# Altium PCB Flow_Pump.PcbDoc (part 4 of 5)
Units mm, origin at the board's own origin, x right, y up, seen from the top; angles counter-clockwise.
Board outline 203 x 203 mm, 2 copper layers (Top Layer, Bottom Layer); 250 components, 181 nets, 863 pads, 3284 vias.
Unrouted connection lines stored in the file: 1.
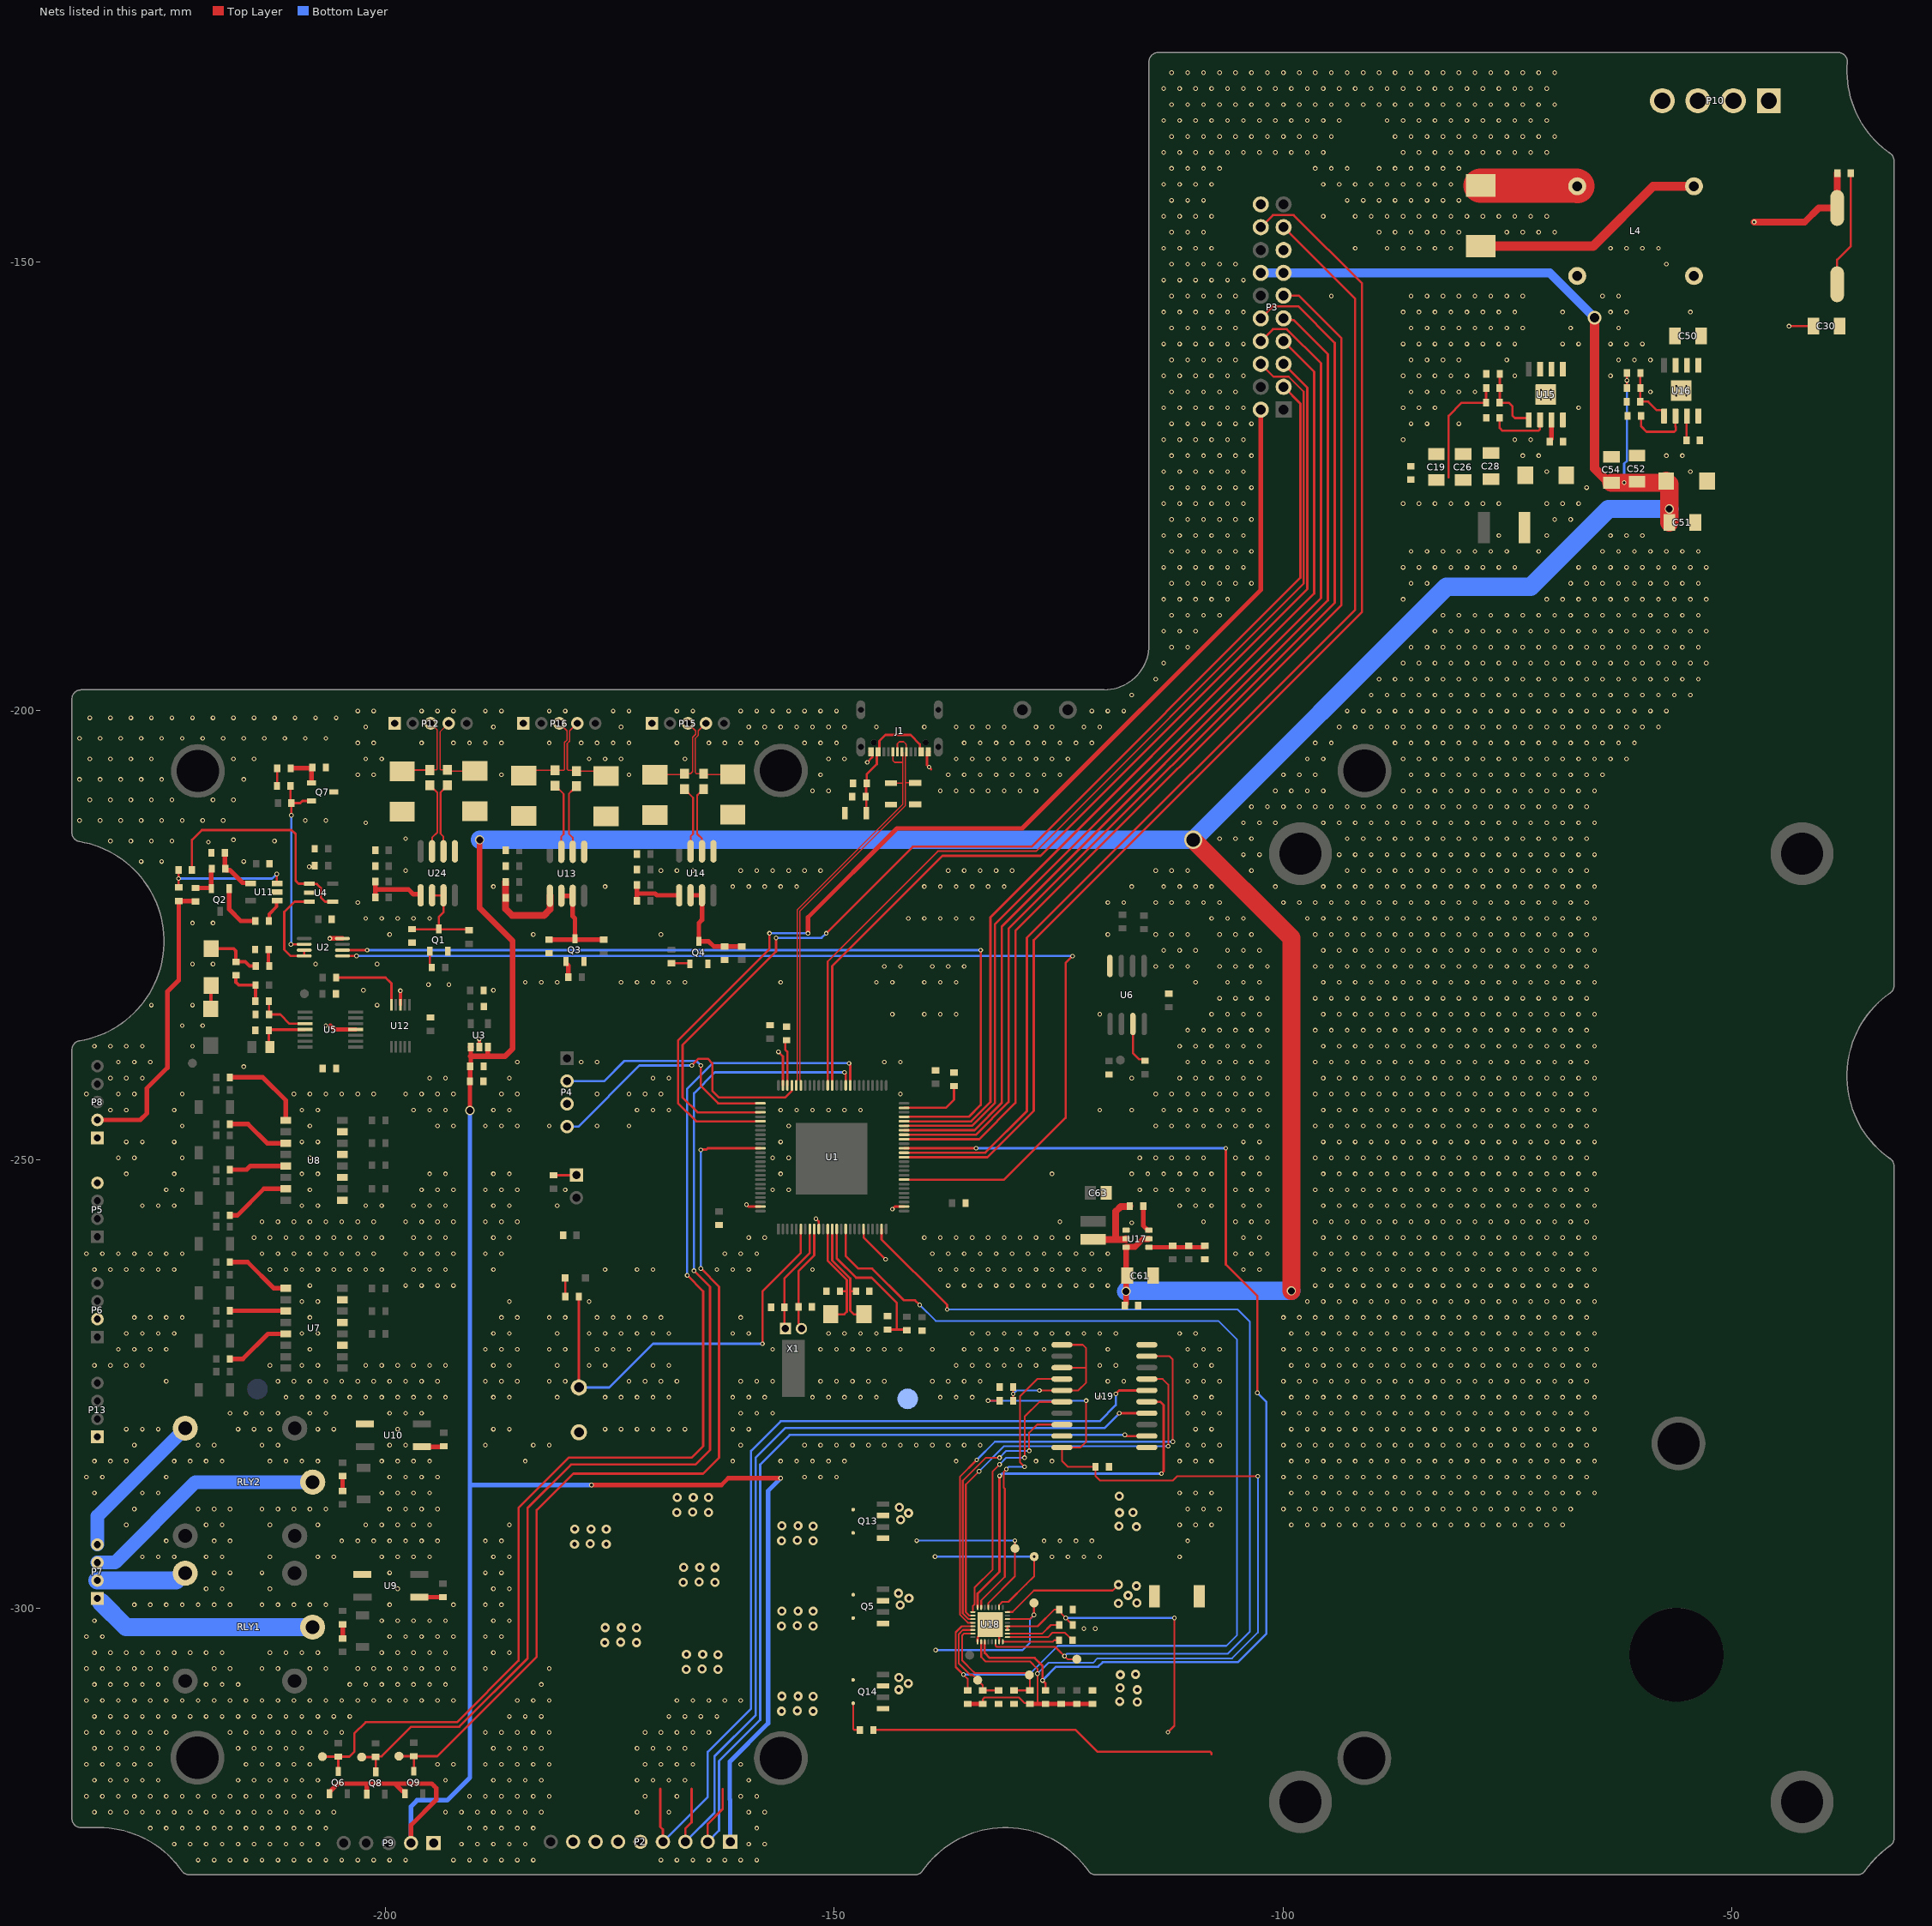
[diagram p4: the nets of this part, all layers, seen from the top]

## Via types
v1: diameter 0.508, hole 0.305, Top Layer to Bottom Layer, tented both sides, 3107 vias
v2: diameter 0.508, hole 0.305, Top Layer to Bottom Layer, 79 vias
v3: diameter 1.016, hole 0.508, Top Layer to Bottom Layer, tented both sides, 73 vias
v4: diameter 1.016, hole 0.762, Top Layer to Bottom Layer, 11 vias
v5: diameter 0.5, hole 0.2, Top Layer to Bottom Layer, 8 vias
v6: diameter 2.032, hole 1.524, Top Layer to Bottom Layer, 3 vias
v7: diameter 0.762, hole 0.508, Top Layer to Bottom Layer, tented both sides, 2 vias
v8: diameter 1.524, hole 1.016, Top Layer to Bottom Layer, 1 vias

## Nets (pads, with @x,y where several pads share a name; then routed paths per layer and width w, separated by ;. In a path a pad name is that pad's centre, name@x,y a point inside that pad or via, vN(x,y) a via of type N, cw(c..) or ccw(c..) an arc to the next point about the centre after c; other vN are vias at no path point) (continued)
GND: (continued)
  other v1: -87.503,-139.573 -85.725,-139.573 -83.947,-139.573 -82.169,-139.573 -80.391,-139.573 -113.284,-137.795 -111.506,-137.795 -109.728,-137.795 -107.95,-137.795 -106.172,-137.795 -104.394,-137.795 -102.616,-137.795 -100.838,-137.795 -99.06,-137.795 -97.282,-137.795 -95.504,-137.795 -86.614,-137.795 -84.836,-137.795 -83.058,-137.795 -81.28,-137.795 -79.502,-137.795 -77.724,-137.795 -75.946,-137.795 -74.168,-137.795 -72.39,-137.795 -70.612,-137.795 -112.395,-136.017 -110.617,-136.017 -108.839,-136.017 -107.061,-136.017 -105.283,-136.017 -103.505,-136.017 -101.727,-136.017 -99.949,-136.017 -98.171,-136.017 -96.393,-136.017 -94.615,-136.017 -87.503,-136.017 -85.725,-136.017 -83.947,-136.017 -82.169,-136.017 -80.391,-136.017 -78.613,-136.017 -76.835,-136.017 -75.057,-136.017 -73.279,-136.017 -71.501,-136.017 -69.723,-136.017 -113.284,-134.239 -111.506,-134.239 -109.728,-134.239 -107.95,-134.239 -106.172,-134.239 -104.394,-134.239 -102.616,-134.239 -100.838,-134.239 -99.06,-134.239 -97.282,-134.239 -95.504,-134.239 -93.726,-134.239 -88.392,-134.239 -86.614,-134.239 -84.836,-134.239 -83.058,-134.239 -81.28,-134.239 -79.502,-134.239 -77.724,-134.239 -75.946,-134.239 -74.168,-134.239 -72.39,-134.239 -70.612,-134.239 -112.395,-132.461 -110.617,-132.461 -108.839,-132.461 -107.061,-132.461 -105.283,-132.461 -103.505,-132.461 -101.727,-132.461 -99.949,-132.461 -98.171,-132.461 -96.393,-132.461 -94.615,-132.461 -92.837,-132.461 -91.059,-132.461 -89.281,-132.461 -87.503,-132.461 -85.725,-132.461 -83.947,-132.461 -82.169,-132.461 -80.391,-132.461 -78.613,-132.461 -76.835,-132.461 -75.057,-132.461 -73.279,-132.461 -71.501,-132.461 -69.723,-132.461 -113.284,-130.683 -111.506,-130.683 -109.728,-130.683 -107.95,-130.683 -106.172,-130.683 -104.394,-130.683 -102.616,-130.683 -100.838,-130.683 -99.06,-130.683 -97.282,-130.683 -95.504,-130.683 -93.726,-130.683 -91.948,-130.683 -90.17,-130.683 -88.392,-130.683 -86.614,-130.683 -84.836,-130.683 -83.058,-130.683 -81.28,-130.683 -79.502,-130.683 -77.724,-130.683 -75.946,-130.683 -74.168,-130.683 -72.39,-130.683 -70.612,-130.683 -112.395,-128.905 -110.617,-128.905 -108.839,-128.905 -107.061,-128.905 -105.283,-128.905 -103.505,-128.905 -101.727,-128.905 -99.949,-128.905 -98.171,-128.905 -96.393,-128.905 -94.615,-128.905 -92.837,-128.905 -91.059,-128.905 -89.281,-128.905 -87.503,-128.905 -85.725,-128.905 -83.947,-128.905 -82.169,-128.905 -80.391,-128.905 -78.613,-128.905 -76.835,-128.905 -75.057,-128.905 -73.279,-128.905 -71.501,-128.905 -69.723,-128.905
  other v5: -71.264,-165.32 -70.164,-165.32 -56.176,-164.888 -55.076,-164.888 -71.264,-164.22 -70.164,-164.22 -56.176,-163.788 -55.076,-163.788
GSA: P2.6 Q14.1 Q14.5 T10.1 U18.6 | length 18.6
  Top Layer w0.203: U18.6@-130.696,-301.201 -128.201,-301.201 v1(-127.737,-300.736) T10.1@-127.737,-299.39
  Bottom Layer w0.203: v1(-138.684,-304.648) -129.007,-304.648 -128.194,-303.835 -128.194,-301.193 v1@-127.749,-300.749 ; v1@-127.737,-300.761 v1(-127.737,-300.736)
  other v3: -166.472,-306.807 -162.941,-306.807 -164.719,-306.756 -162.941,-305.156 -166.446,-305.13 -164.643,-305.13
GSB: P2.7 Q5.1 Q5.5 T11.1 U18.10 | length 18.7
  Top Layer w0.203: U18.10@-131.613,-299.883 -131.613,-299.629 -131.257,-299.273 -130.574,-299.273 -128.605,-297.304 -128.597,-297.304 -127.711,-296.418 v1(-127.711,-294.234)
  Bottom Layer w0.203: v1(-138.76,-294.234) v1(-127.711,-294.234)
  other v3: -175.539,-303.809 -172.009,-303.809 -173.787,-303.759 -172.009,-302.158 -175.514,-302.133 -173.711,-302.133 -166.802,-297.104 -163.271,-297.104 -165.049,-297.053 -163.271,-295.453 -166.776,-295.427 -164.973,-295.427
GSC: P2.8 Q13.1 Q13.5 T12.1 U18.13 | length 19.6
  Top Layer w0.203: U18.13@-132.813,-299.883 -132.813,-299.402 -129.87,-296.459 v1(-129.87,-292.456)
  Bottom Layer w0.203: v1(-140.792,-292.456) v1(-129.87,-292.456)
  other v3: -178.918,-292.837 -175.387,-292.837 -177.165,-292.786 -175.387,-291.186 -178.892,-291.16 -177.089,-291.16 -167.513,-289.306 -163.982,-289.306 -165.76,-289.255 -163.982,-287.655 -167.488,-287.63 -165.684,-287.63
HU: P2.2 U19.2 | length 95.5
  Top Layer w0.254: P2.2@-164.076,-326.009 -164.076,-323.995 -162.414,-322.333 -162.414,-320.147 ; v1(-117.602,-280.67) -117.475,-280.797 U19.2@-115.158,-280.797
  Bottom Layer w0.254: P2.2@-164.076,-326.009 -162.814,-324.747 -162.814,-316.992 -158.242,-312.42 -158.242,-283.972 -154.94,-280.67 v1(-117.602,-280.67)
HV: P2.3 U19.4 | length 97.9
  Top Layer w0.254: P2.3@-166.577,-326.009 -166.577,-324.539 -165.878,-323.841 -165.878,-320.107 ; v1@-118.364,-278.384 v1(-118.237,-278.257) U19.4@-115.158,-278.257
  Bottom Layer w0.254: P2.3@-166.577,-326.009 -163.322,-322.754 -163.322,-316.484 -158.75,-311.912 -158.75,-283.21 -155.448,-279.908 -119.888,-279.908 v1@-118.364,-278.384
HW: P2.4 U19.6 | length 101.3
  Top Layer w0.254: -169.36,-320.107 -169.36,-324.339 -169.077,-324.623 P2.4@-169.077,-326.009 ; v1(-118.618,-276.098) -118.237,-275.717 U19.6@-115.158,-275.717
  Bottom Layer w0.254: P2.4@-169.077,-326.009 -164.084,-321.016 -164.084,-315.976 -159.258,-311.15 -159.258,-282.448 -155.956,-279.146 -120.396,-279.146 -118.618,-277.368 v1(-118.618,-276.098)
IDRIVE: R65.2 R67.1 T5.1 U18.22 | length 11.1
  Top Layer w0.203: U18.22@-134.531,-302.401 -135.65,-302.401 -136.119,-302.87 -136.119,-306.121 -134.823,-307.416 -134.58,-307.416 -133.437,-308.559 R65.2@-133.437,-309.142 R67.1@-131.691,-309.142
ISEN: Q5.3 Q13.3 Q14.3 R64.2 U18.8 | length 13.6
  Top Layer w0.203: U18.8@-130.696,-300.401 -130.13,-300.401 -127.737,-298.008 -118.963,-298.008 v3(-118.313,-297.358)
  other v3: -116.23,-310.413 -118.186,-310.363 -142.799,-309.067 -116.23,-309.067 -118.135,-308.839 -141.732,-308.356 -142.773,-307.696 -118.11,-307.391 -116.426,-307.344 -142.646,-299.618 -118.313,-299.441 -116.281,-299.39 -141.656,-298.856 -117.246,-298.552 -142.824,-298.323 -116.332,-297.51 -116.307,-290.906 -118.262,-290.855 -142.596,-290.119 -141.707,-289.382 -118.212,-289.331 -116.713,-289.306 -142.723,-288.747 -118.237,-287.503
ISO_GND: C12.2 C13.2 C24.2 C25.1 C27.2 C29.2 C46.2 C65.2 C69.2 C70.2 Q7.3 R12.1 R20.1 R25.2 R85.2 U2.8 U3.2 U4.2 U5.11 U11.2 U12.3 | length 6.9
  Top Layer w0.381: U12.3@-198.323,-232.752 v1(-198.323,-231.191) ; U3.2@-189.535,-237.463 v1@-189.535,-236.567
  Top Layer w0.508: v1(-206.182,-225.364) U2.8@-204.777,-225.364 ; -206.121,-235.077 -205.689,-235.509 U5.11@-203.285,-235.509
  other v1: -215.773,-239.649 -221.488,-237.363 -189.535,-236.563 -222.631,-235.077 -220.345,-235.077 -206.629,-235.077 -226.06,-232.791 -221.488,-232.791 -200.914,-232.791 -187.96,-231.14 -195.199,-230.505 -192.913,-230.505 -221.488,-228.219 -219.202,-228.219 -207.772,-228.219 -200.914,-228.219 -221.488,-223.647 -219.202,-223.647 -208.479,-217.373 -227.203,-216.789 -224.917,-216.789 -215.773,-216.789 -219.71,-214.63 -230.632,-214.503 -228.346,-214.503 -226.06,-214.503 -223.774,-214.503 -212.344,-214.503 -216.916,-214.376 -234.061,-212.217 -231.775,-212.217 -229.489,-212.217 -227.203,-212.217 -224.917,-212.217 -222.631,-212.217 -220.345,-212.217 -218.059,-212.217 -208.915,-212.217 -206.629,-212.217 -232.918,-209.931 -230.632,-209.931 -228.346,-209.931 -226.06,-209.931 -223.774,-209.931 -219.202,-209.931 -216.916,-209.931 -234.061,-207.645 -231.775,-207.645 -229.489,-207.645 -227.203,-207.645 -224.917,-207.645 -215.773,-207.645 -232.918,-205.359 -230.632,-205.359 -228.346,-205.359 -226.06,-205.359 -216.916,-205.359 -214.63,-205.359 -234.061,-203.073 -231.775,-203.073 -229.489,-203.073 -227.203,-203.073 -224.917,-203.073 -222.631,-203.073 -220.345,-203.073 -218.059,-203.073 -215.773,-203.073 -213.487,-203.073 -211.201,-203.073 -208.915,-203.073 -206.629,-203.073 -232.918,-200.787 -230.632,-200.787 -228.346,-200.787 -226.06,-200.787 -223.774,-200.787 -221.488,-200.787 -219.202,-200.787 -216.916,-200.787 -214.63,-200.787 -212.344,-200.787 -210.058,-200.787 -207.772,-200.787 -205.486,-200.787
  other v2: -202.438,-231.14
KEYA: P3.5 U1.63 | length 109.8
  Top Layer w0.254: U1.63@-150.21,-241.734 -150.21,-228.442 -137.922,-216.154 -127,-216.154 -97.282,-186.436 -97.282,-164.008 P3.5@-99.924,-161.366
KEYB: P3.6 U1.64 | length 111.7
  Top Layer w0.203: U1.64@-150.71,-241.734 -150.71,-227.926 -138.43,-215.646 -127.508,-215.646 -97.688,-185.826 -97.688,-164.44 -99.35,-162.778 -101.052,-162.778 P3.6@-102.464,-161.366
KEYSW: P3.7 U1.46 | length 111.6
  Top Layer w0.254: U1.46@-142.21,-245.734 -134.736,-245.734 -132.588,-243.586 -132.588,-223.012 -96.52,-186.944 -96.52,-162.23 P3.7@-99.924,-158.826
LATCH_AO: U1.33 U2.5 | length 120.5
  Top Layer w0.254: U2.5@-204.777,-227.315 v1(-203.215,-227.315) ; U1.33@-142.21,-252.234 -131.076,-252.234 -124.206,-245.364 -124.206,-228.092 v1(-123.444,-227.33)
  Bottom Layer w0.254: v1(-203.215,-227.315) -123.459,-227.315 v1(-123.444,-227.33)
MCU_REF: Q7.2 R82.2 R83.1 U2.2 | length 21.5
  Top Layer w0.254: R83.1@-210.565,-208.382 -210.565,-210.185 R82.2@-210.463,-210.287 ; v1(-210.51,-226.015) U2.2@-209.039,-226.015 ; v1(-210.463,-211.634) R82.2@-210.463,-210.287 ; Q7.2@-208.24,-210.042 -209.229,-210.042 -209.474,-210.287 R82.2@-210.463,-210.287
  Bottom Layer w0.254: v1@-210.463,-226.008 v1(-210.463,-211.634)
MEA: Q6.3 R24.2 S_RX.1 U1.59 | length 131.8
  Top Layer w0.254: S_RX.1@-207.01,-316.515 R24.2@-205.232,-316.515 ; Q6.3@-205.232,-318.166 R24.2@-205.232,-316.515 ; v2(-166.37,-262.89) -164.592,-264.668 -164.592,-281.94 -165.862,-283.21 -179.578,-283.21 -185.166,-288.798 -185.166,-305.816 -192.024,-312.674 -202.184,-312.674 -203.454,-313.944 -203.454,-315.976 -203.993,-316.515 R24.2@-205.232,-316.515 ; v2(-148.336,-239.268) -148.336,-239.337 -148.21,-239.463 U1.59@-148.21,-241.734
  Bottom Layer w0.254: v2(-166.37,-262.89) -166.37,-242.111 -163.527,-239.268 v2(-148.336,-239.268)
MEB: Q8.3 R38.2 S_RX1.1 U1.60 | length 124.2
  Top Layer w0.254: S_RX1.1@-202.641,-316.566 -201.091,-316.566 R38.2@-201.067,-316.542 ; Q8.3@-201.067,-318.217 R38.2@-201.067,-316.542 ; v2(-165.608,-262.382) -163.83,-264.16 -163.83,-282.362 -165.44,-283.972 -179.324,-283.972 -184.15,-288.798 -184.15,-305.562 -191.77,-313.182 -197.104,-313.182 -200.409,-316.487 -201.012,-316.487 R38.2@-201.067,-316.542 ; v2(-148.844,-240.284) -148.71,-240.418 U1.60@-148.71,-241.734
  Bottom Layer w0.254: v2(-165.608,-262.382) -165.608,-242.614 -163.278,-240.284 v2(-148.844,-240.284)
MEZ: Q9.3 R39.2 S_RX2.1 U1.86 | length 102.5
  Top Layer w0.254: S_RX2.1@-198.476,-316.466 R39.2@-196.825,-316.466 ; Q9.3@-196.825,-318.141 R39.2@-196.825,-316.466 ; v2(-164.846,-262.128) -162.814,-264.16 -162.814,-283.21 -164.592,-284.988 -179.07,-284.988 -183.134,-289.052 -183.134,-305.384 -194.216,-316.466 R39.2@-196.825,-316.466 ; v2(-164.846,-248.92) -164.797,-248.871 -164.221,-248.871 -164.083,-248.734 U1.86@-158.21,-248.734
  Bottom Layer w0.254: v2(-164.846,-262.128) v2(-164.846,-248.92)
MFAULT: R60.1 U1.16 U18.21 | length 124.9
  Top Layer w0.203: R60.1@-135.128,-309.143 -135.128,-307.848 -136.449,-306.527 -136.449,-302.666 -135.783,-302.001 U18.21@-134.531,-302.001
  Top Layer w0.254: U1.16@-148.71,-257.734 -148.71,-260.738 -147.309,-262.139 -145.754,-262.139 -142.209,-265.684 -140.97,-265.684 v2(-140.462,-266.192)
  Bottom Layer w0.203: v2(-140.462,-266.192) -138.684,-267.97 -107.188,-267.97 -105.105,-270.053 -105.105,-302.971 -106.299,-304.165 -125.07,-304.165 -128.27,-307.365 v1(-135.585,-307.365)
MSR0: D7.2 R19.2 R22.2 | length 6.5
  Top Layer w0.381: D7.2@-219.405,-226.499 -216.909,-226.499 -216.637,-226.771 R22.2@-216.637,-227.965 -215.595,-227.965 -215.125,-228.435 -214.439,-228.435 R19.2@-214.427,-228.448
MU: U18.19 U19.18 | length 31
  Top Layer w0.203: U18.19@-134.531,-301.201 -135.023,-301.201 -135.661,-300.562 -135.661,-285.775 -133.096,-283.21 v2(-131.572,-283.21) ; v1(-128.27,-282.448) -128.27,-280.416 -127.381,-279.527 U19.18@-124.618,-279.527
  Bottom Layer w0.203: v2(-131.572,-283.21) -130.81,-282.448 v1(-128.27,-282.448)
MV: U18.17 U19.16 | length 30.2
  Top Layer w0.203: U18.17@-134.531,-300.401 -134.531,-299.725 -134.369,-299.563 -134.369,-297.691 -132.334,-295.656 -132.334,-284.734 v2(-131.572,-283.972) ; v1(-128.778,-283.21) -128.778,-278.638 -127.127,-276.987 U19.16@-124.618,-276.987
  Bottom Layer w0.203: v2(-131.572,-283.972) -130.81,-283.21 v1(-128.778,-283.21)
MW: U18.15 U19.14 | length 32.3
  Top Layer w0.203: U18.15@-133.613,-299.883 -133.613,-299.12 -130.988,-296.494 -130.988,-286.664 -131.089,-286.563 -131.089,-284.759 v2(-130.81,-284.48) ; v1(-128.778,-284.226) -129.286,-283.718 -129.286,-276.352 -127.381,-274.447 U19.14@-124.618,-274.447
  Bottom Layer w0.203: v2(-130.81,-284.48) -130.793,-284.48 -130.539,-284.226 v1(-128.778,-284.226)
nBREAK: T2.1 U1.24 U18.30 | length 112.7
  Top Layer w0.203: U18.30@-132.013,-303.718 -132.013,-304.155 -131.877,-304.292 -125.374,-304.292 -123.977,-305.689 T2.1@-122.961,-305.689
  Top Layer w0.254: U1.24@-144.71,-257.734 -144.71,-258.896 -137.414,-266.192 v2(-137.414,-266.7)
  Bottom Layer w0.203: v2(-137.414,-266.7) -105.036,-266.7 -103.683,-268.053 -103.683,-302.585 -106.152,-305.054 -124.062,-305.054 -124.316,-305.308 v1(-124.333,-305.308)
NetC1_1: C1.1 U1.12 Y1.2 | length 12.8
  Top Layer w0.254: U1.12@-150.71,-257.734 -150.71,-261.278 -148.59,-263.398 -148.59,-264.681 ; Y1.2@-150.387,-267.233 -148.869,-267.233 -148.59,-266.954 -148.59,-264.681 ; C1.1@-149.352,-264.668 -148.603,-264.668 -148.59,-264.681
NetC2_1: C2.1 U1.13 Y1.1 | length 12.1
  Top Layer w0.254: U1.13@-150.21,-257.734 -150.21,-261.239 -148.209,-263.24 -148.209,-266.827 -147.803,-267.233 Y1.1@-146.687,-267.233 ; -148.074,-264.668 C2.1@-147.574,-264.668
NetC18_1: C18.1 U15.7 | length 2.5
  Top Layer w0.508: C18.1@-70.282,-170.002 -70.282,-169.927 -70.079,-169.724 U15.7@-70.079,-167.595
NetC18_2: C18.2 L1.1 U15.8
NetC19_1: C19.1 C26.1 C28.1 C40.1 C41.1 F2.1 L1.2 R51.2 | length 13.3
  Top Layer w0.254: -81.534,-173.99 -81.534,-167.132 -80.086,-165.684 R51.2@-77.37,-165.684 -77.357,-165.671 -77.357,-164.071 C40.1@-77.344,-164.059
NetC20_2: C20.2 U1.49 | length 7.5
  Top Layer w0.254: U1.49@-142.21,-244.234 -137.554,-244.234 -136.652,-243.332 C20.2@-136.652,-241.808
NetC21_2: C21.2 R69.2 U1.14 | length 17.2
  Top Layer w0.254: U1.14@-149.71,-257.734 -149.71,-261.008 -147.554,-263.164 -145.817,-263.164 -143.015,-265.967 -143.015,-268.937 ; C21.2@-144.043,-268.937 -143.015,-268.937 ; R69.2@-141.91,-269.013 -141.986,-268.937 -143.015,-268.937
NetC23_1: C23.1 R22.1 R23.2 | length 4.9
  Top Layer w0.381: R22.1@-216.637,-229.465 -216.637,-230.226 -216.303,-230.559 C23.1@-214.454,-230.559 -214.454,-232.316 R23.2@-214.486,-232.347
NetC25_2: C25.2 R23.1 U5.3 | length 6
  Top Layer w0.254: R23.1@-212.986,-232.347 -212.962,-232.371 C25.2@-212.962,-233.834 -211.707,-233.834 -210.682,-234.859 U5.3@-208.924,-234.859
NetC38_2: C38.2 R42.1 | length 1.6
  Top Layer w0.508: R42.1@-204.755,-303.346 -204.749,-303.341 C38.2@-204.749,-301.779
NetC39_2: C39.2 R43.1 | length 1.7
  Top Layer w0.508: R43.1@-204.775,-286.917 -204.755,-286.897 C39.2@-204.755,-285.264
NetC40_2: C40.2 R51.1 R52.2 U15.5 | length 7.9
  Top Layer w0.254: R52.2@-75.843,-162.484 -75.843,-165.307 -75.94,-165.404 -75.94,-165.614 R51.1@-75.87,-165.684 -74.854,-165.684 -74.422,-166.116 -74.422,-167.132 -74.168,-167.386 -72.817,-167.386 -72.619,-167.584 U15.5@-72.619,-167.595
NetC43_1: C43.1 U15.6 | length 6.9
  Top Layer w0.254: C43.1@-75.844,-167.361 -75.844,-168.504 -75.543,-168.805 -71.523,-168.805 -71.374,-168.656 -71.374,-167.62 U15.6@-71.349,-167.595
NetC47_1: C47.1 R1.2 U1.6 | length 47.2
  Top Layer w0.254: C47.1@-178.435,-275.387 R1.2@-178.434,-265.253 ; v2(-157.988,-270.51) -157.988,-264.668 -153.71,-260.39 U1.6@-153.71,-257.734
  Bottom Layer w0.254: C47.1@-178.435,-275.387 -175.057,-275.387 -170.18,-270.51 v2(-157.988,-270.51)
NetC48_2: C48.2 U1.73 | length 5.2
  Top Layer w0.254: C48.2@-155.296,-236.703 -155.448,-236.855 -155.448,-237.744 -155.21,-237.982 U1.73@-155.21,-241.734
NetC49_1: C49.1 U16.7 | length 2.7
  Top Layer w0.254: C49.1@-55.043,-169.875 -55.017,-169.849 -55.017,-167.189 U16.7@-54.991,-167.163
NetC49_2: C49.2 L2.1 U16.8
NetC55_2: C55.2 R53.1 R54.2 U16.5 | length 6.8
  Top Layer w0.254: C55.2@-60.171,-162.357 -60.185,-162.37 -60.185,-165.544 R54.2@-60.198,-165.557 -59.306,-165.557 -58.349,-166.514 -57.729,-166.514 -57.531,-166.712 U16.5@-57.531,-167.163
NetC57_1: C57.1 U16.6 | length 6.9
  Top Layer w0.254: C57.1@-60.096,-167.157 -60.096,-168.3 -59.487,-168.91 -56.388,-168.91 -56.239,-168.761 -56.239,-168.391 -56.261,-168.369 U16.6@-56.261,-167.163
NetC58_1: C58.1 U17.6 | length 3
  Top Layer w0.508: C58.1@-115.564,-255.177 -115.564,-257.361 -115.055,-257.869 U17.6@-114.93,-257.869
NetC58_2: C58.2 L3.1 U17.2 | length 8.7
  Top Layer w0.762: L3.1@-121.153,-258.895 -118.781,-258.895 ; U17.2@-117.48,-258.819 -117.48,-258.876 -117.499,-258.895 -118.781,-258.895 ; C58.2@-117.064,-255.177 -117.064,-255.19 -117.095,-255.221 -118.061,-255.221 -118.618,-255.778 -118.618,-258.731 -118.781,-258.895
NetC62_2: C62.2 R55.1 R56.2 U17.4 | length 6.3
  Top Layer w0.508: U17.4@-114.93,-259.769 -112.39,-259.769 -110.587,-259.769 -108.76,-259.769 R56.2@-108.668,-259.677
NetC64_1: C64.1 U18.32 | length 6.3
  Top Layer w0.203: U18.32@-131.213,-303.718 -125.641,-303.718 -125.476,-303.553 C64.1@-124.944,-303.553
NetC64_2: C64.2 U18.1 | length 7.8
  Top Layer w0.203: U18.1@-130.696,-303.201 -126.163,-303.201 -125.679,-302.717 -124.28,-302.717 -123.767,-303.23 -123.692,-303.23 -123.444,-303.478 C64.2@-123.444,-303.553
NetC71_1: C71.1 U18.2 | length 6.2
  Top Layer w0.203: U18.2@-130.696,-302.801 -126.792,-302.801 -125.843,-301.852 C71.1@-124.917,-301.852
NetD1_2: D1.2 R1.1 | length 2.1
  Top Layer w0.254: D1.2@-179.966,-263.195 -179.934,-263.228 R1.1@-179.934,-265.252
NetD6_2: D6.2 D7.1 | length 2.6
  Top Layer w0.381: D6.2@-219.456,-233.205 -219.405,-233.154 D7.1@-219.405,-230.599
NetFB1_1: FB1.1 U24.6 | length 7.8
  Top Layer w0.203: U24.6@-193.523,-215.66 -193.523,-214.02 -193.853,-213.69 -193.853,-209.093 -193.489,-208.729 -193.489,-208.677 FB1.1@-193.091,-208.278
NetFB3_1: FB3.1 U24.7 | length 8
  Top Layer w0.203: FB3.1@-195.021,-208.304 -195.021,-208.354 -194.623,-208.752 -194.573,-208.752 -194.208,-209.116 -194.208,-213.538 -194.793,-214.122 U24.7@-194.793,-215.66
NetFB4_1: FB4.1 U13.6 | length 7.9
  Top Layer w0.203: U13.6@-179.121,-215.711 -179.121,-214.122 -179.553,-213.69 -179.553,-209.243 -179.163,-208.854 -179.113,-208.854 -178.714,-208.455 FB4.1@-178.714,-208.405
NetFB5_1: FB5.1 U14.6 | length 7.5
  Top Layer w0.203: U14.6@-164.719,-215.66 -164.723,-215.655 -164.723,-214.245 -165.252,-213.716 -165.252,-209.421 -164.99,-209.158 -164.94,-209.158 -164.541,-208.76 FB5.1@-164.541,-208.71
NetFB6_1: FB6.1 U13.7 | length 7.9
  Top Layer w0.203: FB6.1@-181.077,-208.329 -181.077,-208.379 -180.678,-208.777 -180.628,-208.777 -180.137,-209.269 -180.137,-213.741 -180.391,-213.995 U13.7@-180.391,-215.711
NetFB7_1: FB7.1 U14.7 | length 7.5
  Top Layer w0.203: FB7.1@-166.675,-208.71 -166.675,-208.76 -166.276,-209.158 -166.226,-209.158 -165.71,-209.675 -165.71,-213.716 -165.989,-213.995 U14.7@-165.989,-215.66